# Altium PCB pcb地图1.00.pcbdoc (part 1 of 2)
Units mil, origin at the board's own origin, x right, y up, seen from the top; angles counter-clockwise.
Board outline 10933.01 x 3940 mil, 2 copper layers (Top Layer, Bottom Layer); 350 components, 336 nets, 1102 pads, 0 vias.
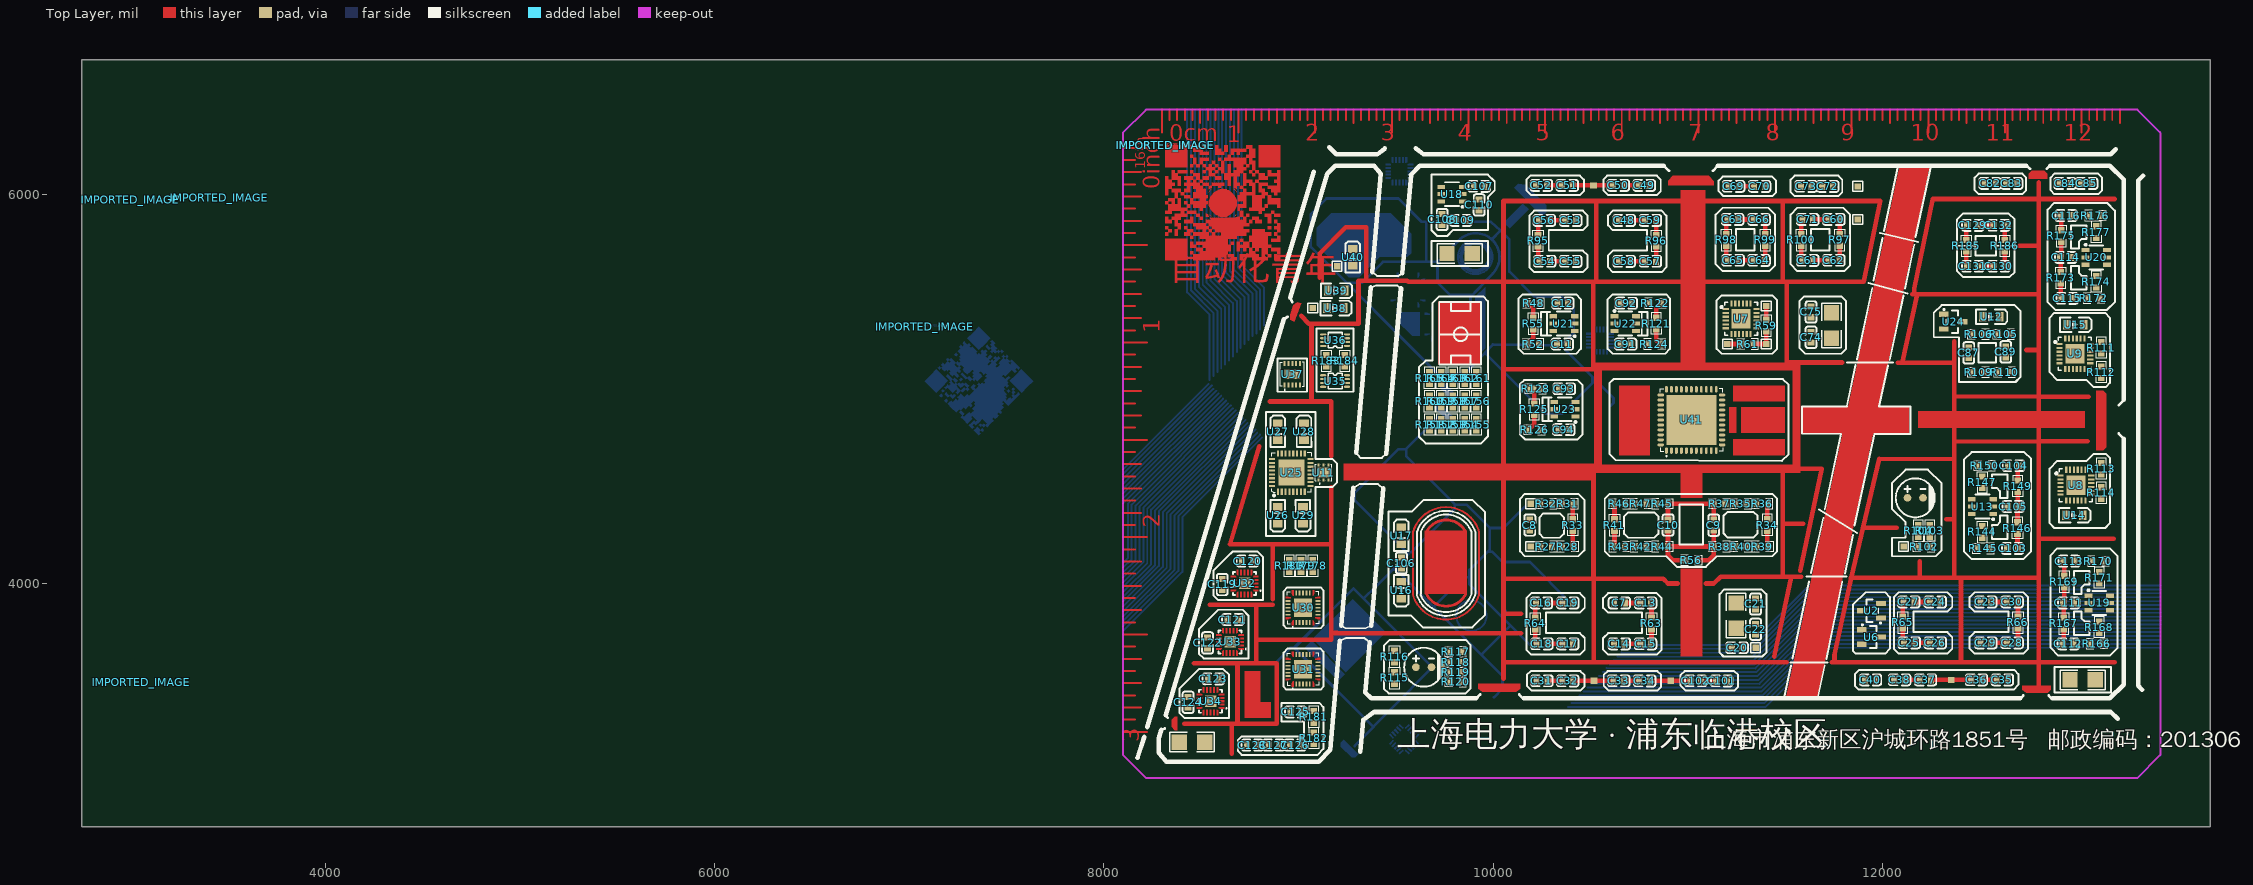
[diagram p0: Top Layer view]
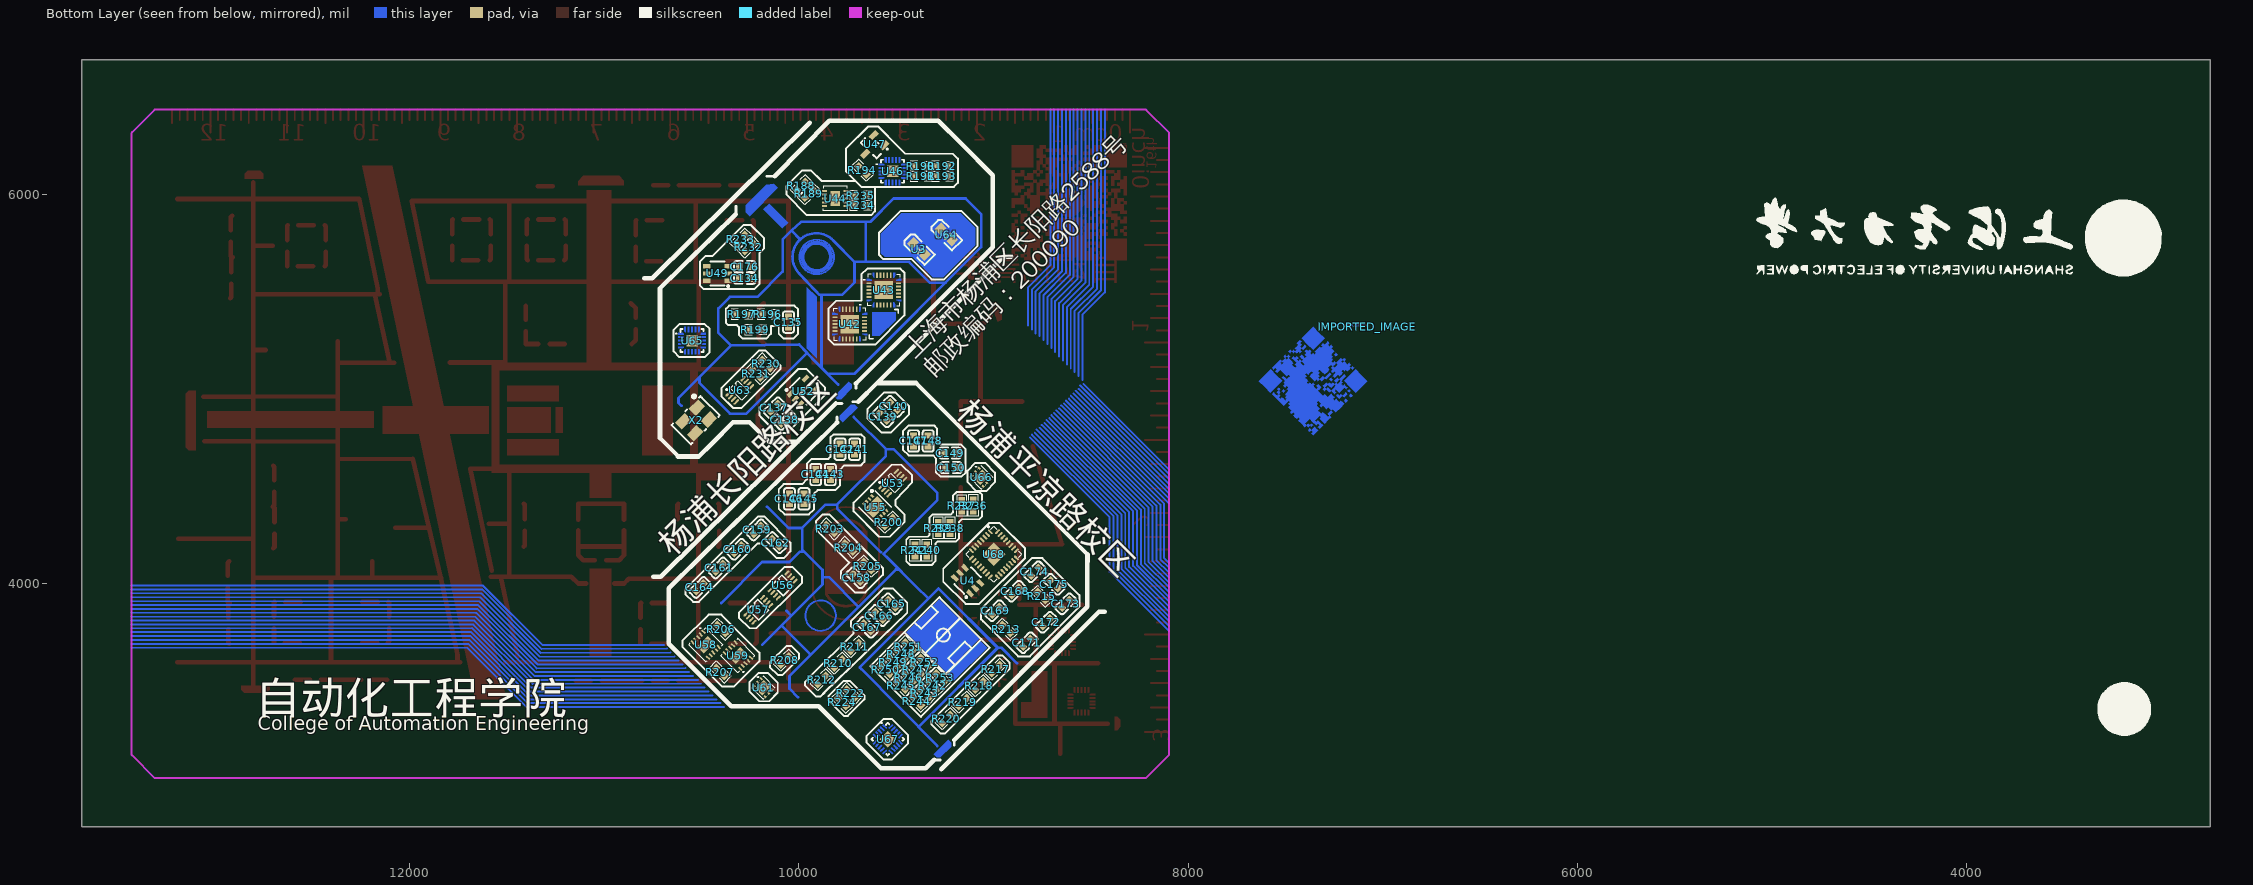
[diagram p1: Bottom Layer view, seen from below]

## Layer stack, top to bottom
Top Layer: signal copper (thickness not stored)
Dielectric: dielectric 12.6, FR-4, Dk 4.8
Bottom Layer: signal copper (thickness not stored)

## Board outline
13683.01,2750 2750,2750 2750,6690 13683.01,6690

## Components (designator, comment, footprint, x,y, rotation, side; value= is the part's Value field where it differs from the comment)
C7 "0.1u" C0603 10648.01,3900 r180 top
C8 "0.1u" C0603 10188.01,4300 r270 top
C9 "0.1u" C0603 11133.01,4300 r90 top
C10 "0.1u" C0603 10898.01,4300 r270 top
C11 "0.1u" C0603 10355.57,5230 r0 top
C12 "0.1u" C0603 10358.01,5440 r0 top
C13 "0.1u" C0603 10783.01,3900 r0 top
C14 "0.1u" C0603 10648.01,3690 r180 top
C15 "0.1u" C0603 10783.01,3690 r0 top
C16 "0.1u" C0603 10248.01,3900 r0 top
C17 "0.1u" C0603 10383.01,3690 r180 top
C18 "0.1u" C0603 10250.45,3690 r0 top
C19 "0.1u" C0603 10383.01,3900 r180 top
C20 "0.1u" C0603 11253.01,3670 r0 top
C21 "0.1u" C0603 11348.01,3895 r90 top
C22 "0.1u" C0603 11348.01,3765 r90 top
C23 "0.1u" C0603 12530.69,3905 r180 top
C24 "0.1u" C0603 12270.69,3905 r180 top
C25 "0.1u" C0603 12138.13,3695 r0 top
C26 "0.1u" C0603 12270.69,3695 r180 top
C27 "0.1u" C0603 12135.69,3905 r0 top
C28 "0.1u" C0603 12665.69,3695 r0 top
C29 "0.1u" C0603 12530.69,3695 r180 top
C30 "0.1u" C0603 12665.69,3905 r0 top
C31 "0.1u" C0603 10250.45,3500 r0 top
C32 "0.1u" C0603 10383.01,3500 r180 top
C33 "0.1u" C0603 10645.45,3500 r0 top
C34 "0.1u" C0603 10778.01,3500 r180 top
C35 "0.1u" C0603 12615.45,3505 r180 top
C36 "0.1u" C0603 12482.89,3505 r0 top
C37 "0.1u" C0603 12220.45,3505 r180 top
C38 "0.1u" C0603 12087.89,3505 r0 top
C40 "0.1u" C0603 11938.01,3505 r180 top
C48 "0.1u" C0603 10673.01,5865 r180 top
C49 "0.1u" C0603 10775.57,6045 r180 top
C50 "0.1u" C0603 10643.01,6045 r0 top
C51 "0.1u" C0603 10380.57,6045 r180 top
C52 "0.1u" C0603 10248.01,6045 r0 top
C53 "0.1u" C0603 10398.01,5865 r180 top
C54 "0.1u" C0603 10265.45,5655 r0 top
C55 "0.1u" C0603 10398.01,5655 r180 top
C56 "0.1u" C0603 10263.01,5865 r0 top
C57 "0.1u" C0603 10808.01,5655 r0 top
C58 "0.1u" C0603 10673.01,5655 r180 top
C59 "0.1u" C0603 10808.01,5865 r0 top
C60 "0.1u" C0603 11750.45,5870 r0 top
C61 "0.1u" C0603 11615.45,5660 r180 top
C62 "0.1u" C0603 11750.45,5660 r0 top
C63 "0.1u" C0603 11230.45,5870 r0 top
C64 "0.1u" C0603 11365.45,5660 r180 top
C65 "0.1u" C0603 11232.89,5660 r0 top
C66 "0.1u" C0603 11365.45,5870 r180 top
C69 "0.1u" C0603 11235.45,6040 r0 top
C70 "0.1u" C0603 11368.01,6040 r180 top
C71 "0.1u" C0603 11615.45,5870 r180 top
C72 "0.1u" C0603 11718.13,6040 r180 top
C73 "0.1u" C0603 11608.01,6040 r0 top
C74 "0.1u" C0603 11633.01,5265 r90 top
C75 "0.1u" C0603 11633.01,5395 r90 top
C82 "0.1u" C0603 12552.89,6055 r0 top
C83 "0.1u" C0603 12663.01,6055 r180 top
C84 "0.1u" C0603 12937.89,6055 r0 top
C85 "0.1u" C0603 13048.01,6055 r180 top
C87 "0.1u" C0603 12443.01,5185 r90 top
C89 "0.1u" C0603 12633.01,5190 r90 top
C91 "0.1u" C0603 10680.57,5230 r180 top
C92 "0.1u" C0603 10683.01,5440 r180 top
C93 "0.1u" C0603 10365.45,5000 r0 top
C94 "0.1u" C0603 10363.01,4790 r0 top
C101 "0.1u" C0603 11173.01,3500 r180 top
C102 "0.1u" C0603 11040.45,3500 r0 top
C103 "0.1u" C0603 12668.01,4180 r0 top
C104 "0.1u" C0603 12672.89,4605 r0 top
C105 "0.1u" C0603 12670.45,4395 r0 top
C106 "0.1u" C0603 9528.01,4105 r270 top
C107 "0.1u" C0603 9928.01,6040 r0 top
C108 "0.1u" C0603 9738.01,5870 r90 top
C109 "0.1u" C0603 9833.01,5865 r0 top
C110 "0.1u" C0603 9928.01,5945 r90 top
C111 "0.1u" C0603 12955.57,3900 r180 top
C112 "0.1u" C0603 12953.13,3690 r180 top
C113 "0.1u" C0603 12958.01,4115 r180 top
C114 "0.1u" C0603 12940.57,5675 r180 top
C115 "0.1u" C0603 12948.01,5465 r180 top
C116 "0.1u" C0603 12943.01,5890 r180 top
C119 "0.1u" C0603 8608.01,3995 r90 top
C120 "0.1u" C0603 8738.01,4115 r0 top
C121 "0.1u" C0603 8663.01,3815 r0 top
C122 "0.1u" C0603 8533.01,3695 r90 top
C123 "0.1u" C0603 8563.01,3510 r0 top
C124 "0.1u" C0603 8433.01,3390 r90 top
C125 "0.1u" C0603 8985.45,3340 r0 top
C126 "0.1u" C0603 8983.01,3170 r0 top
C127 "0.1u" C0603 8873.01,3170 r0 top
C128 "0.1u" C0603 8763.01,3170 r0 top
C129 "0.1u" C0603 12463.01,5839.66 r180 top
C130 "0.1u" C0603 12598.01,5629.66 r0 top
C131 "0.1u" C0603 12463.01,5629.66 r180 top
C132 "0.1u" C0603 12598.01,5839.66 r0 top
C134 "0.1u" C0603 10278.01,5567.5 r180 bottom
C135 "0.1u" C0603 10053.01,5342.5 r270 bottom
C137 "0.1u" C0603 10126.55,4902.24 r315 bottom
C138 "0.1u" C0603 10071.55,4842.24 r315 bottom
C139 "0.1u" C0603 9566.17,4856.56 r45 bottom
C140 "0.1u" C0603 9513.01,4910 r45 bottom
C141 "0.1u" C0603 9713.01,4690 r90 bottom
C142 "0.1u" C0603 9788.01,4690 r90 bottom
C143 "0.1u" C0603 9838.01,4560 r90 bottom
C144 "0.1u" C0603 9913.01,4560 r90 bottom
C145 "0.1u" C0603 9973.01,4435 r90 bottom
C146 "0.1u" C0603 10048.01,4435 r90 bottom
C147 "0.1u" C0603 9410.57,4732.56 r90 bottom
C148 "0.1u" C0603 9335.57,4732.56 r90 bottom
C149 "0.1u" C0603 9223.01,4670 r180 bottom
C150 "0.1u" C0603 9218.01,4595 r180 bottom
C158 "0.1u" C0603 9702.55,4029.54 r45 bottom
C159 "0.1u" C0603 10213.01,4275 r315 bottom
C160 "0.1u" C0603 10312.49,4175.51 r135 bottom
C161 "0.1u" C0603 10408.01,4080 r135 bottom
C162 "0.1u" C0603 10118.01,4210 r45 bottom
C164 "0.1u" C0603 10508.01,3980 r135 bottom
C165 "0.1u" C0603 9523.01,3895 r225 bottom
C166 "0.1u" C0603 9588.01,3835 r225 bottom
C167 "0.1u" C0603 9648.01,3775 r225 bottom
C168 "0.1u" C0603 8888.52,3960.51 r135 bottom
C169 "0.1u" C0603 8988.52,3860.51 r135 bottom
C171 "0.1u" C0603 8828.52,3695.51 r315 bottom
C172 "0.1u" C0603 8728.52,3800.51 r135 bottom
C173 "0.1u" C0603 8628.52,3895.51 r135 bottom
C174 "0.1u" C0603 8788.52,4060.51 r135 bottom
C175 "0.1u" C0603 8688.52,3995.51 r225 bottom
C176 "0.1u" C0603 10278.01,5627.5 r180 bottom
IMPORTED_IMAGE "IMPORTED_IMAGE" IMPORTED_IMAGE#1 7079.81,5317.99 r0 top
IMPORTED_IMAGE "IMPORTED_IMAGE" IMPORTED_IMAGE#2 7079.81,5317.99 r0 bottom
IMPORTED_IMAGE "IMPORTED_IMAGE" IMPORTED_IMAGE#1 3455.64,5981.61 r0 top
IMPORTED_IMAGE "IMPORTED_IMAGE" IMPORTED_IMAGE#1 3000,5971.18 r0 top
IMPORTED_IMAGE "IMPORTED_IMAGE" IMPORTED_IMAGE#1 3054.18,3492.42 r0 top
IMPORTED_IMAGE "IMPORTED_IMAGE" IMPORTED_IMAGE#3 8315.97,6250.26 r0 top
IMPORTED_IMAGE "IMPORTED_IMAGE" IMPORTED_IMAGE#1 8315.97,6250.26 r0 top
R27 "1k" R0603 10273.01,4190 r0 top
R28 "1k" R0603 10383.01,4190 r180 top
R31 "1k" R0603 10382.67,4410 r0 top
R32 "1k" R0603 10272.67,4410 r0 top
R33 "1k" R0603 10408.01,4300 r90 top
R34 "1k" R0603 11408.01,4300 r90 top
R35 "1k" R0603 11272.67,4410 r0 top
R36 "1k" R0603 11382.67,4410 r0 top
R37 "1k" R0603 11162.67,4410 r0 top
R38 "1k" R0603 11163.01,4190 r0 top
R39 "1k" R0603 11383.01,4190 r180 top
R40 "1k" R0603 11273.01,4190 r0 top
R41 "1k" R0603 10623.01,4300 r270 top
R42 "1k" R0603 10758.35,4190 r180 top
R43 "1k" R0603 10648.35,4190 r180 top
R44 "1k" R0603 10868.35,4190 r180 top
R45 "1k" R0603 10868.01,4410 r180 top
R46 "1k" R0603 10648.01,4410 r0 top
R47 "1k" R0603 10758.01,4410 r180 top
R48 "1k" R0603 10208.01,5440 r0 top
R52 "1k" R0603 10205.57,5230 r0 top
R55 "1k" R0603 10205.57,5335 r270 top
R56 "1k" R0603 11018.01,4120 r180 top
R59 "1k" R0603 11403.01,5325 r270 top
R61 "1k" R0603 11308.01,5230 r0 top
R63 "1k" R0603 10813.01,3795 r270 top
R64 "1k" R0603 10215.45,3795 r270 top
R65 "1k" R0603 12103.13,3800 r270 top
R66 "1k" R0603 12695.69,3800 r270 top
R95 "1k" R0603 10230.45,5760 r270 top
R96 "1k" R0603 10838.01,5760 r270 top
R97 "1k" R0603 11780.45,5765 r270 top
R98 "1k" R0603 11197.89,5765 r270 top
R99 "1k" R0603 11398.01,5765 r270 top
R100 "1k" R0603 11583.01,5765 r270 top
R102 "1k" R0603 12213.01,4190 r0 top
R103 "1k" R0603 12243.01,4270 r90 top
R104 "1k" R0603 12183.01,4270 r90 top
R105 "1k" R0603 12623.01,5280 r0 top
R106 "1k" R0603 12493.01,5280 r0 top
R109 "1k" R0603 12493.01,5085 r0 top
R110 "1k" R0603 12628.01,5085 r0 top
R111 "1k" R0603 13123.01,5210.34 r90 top
R112 "1k" R0603 13123.01,5085 r90 top
R113 "1k" R0603 13123.01,4590 r90 top
R114 "1k" R0603 13123.01,4465 r90 top
R115 "1k" R0603 9493.01,3514.66 r270 top
R116 "1k" R0603 9493.01,3624.66 r270 top
R117 "1k" R0603 9808.01,3650 r0 top
R118 "1k" R0603 9808.01,3595 r0 top
R119 "1k" R0603 9808.01,3545 r0 top
R120 "1k" R0603 9808.01,3495 r0 top
R121 "1k" R0603 10838.01,5335.34 r90 top
R122 "1k" R0603 10833.01,5440 r180 top
R124 "1k" R0603 10828.01,5230 r180 top
R125 "1k" R0603 10210.57,4895 r270 top
R126 "1k" R0603 10213.01,4790 r0 top
R128 "1k" R0603 10218.01,5000 r0 top
R144 "1k" R0603 12513.01,4265 r270 top
R145 "1k" R0603 12518.01,4180 r0 top
R146 "1k" R0603 12693.01,4285 r90 top
R147 "1k" R0603 12513.01,4520 r270 top
R149 "1k" R0603 12695.45,4500 r90 top
R150 "1k" R0603 12525.45,4605 r0 top
R151 "1k" R0603 9673.01,4815 r90 top
R152 "1k" R0603 9733.01,4815 r90 top
R153 "1k" R0603 9793.01,4815 r90 top
R154 "1k" R0603 9853.01,4815 r90 top
R155 "1k" R0603 9913.01,4815 r90 top
R156 "1k" R0603 9913.01,4935 r90 top
R157 "1k" R0603 9853.01,4935 r90 top
R158 "1k" R0603 9793.01,4935 r90 top
R159 "1k" R0603 9733.01,4935 r90 top
R160 "1k" R0603 9673.01,4935 r90 top
R161 "1k" R0603 9913.01,5055 r90 top
R162 "1k" R0603 9853.01,5055 r90 top
R163 "1k" R0603 9793.01,5055 r90 top
R164 "1k" R0603 9733.01,5055 r90 top
R165 "1k" R0603 9673.01,5055 r90 top
R166 "1k" R0603 13100.57,3690 r180 top
R167 "1k" R0603 12930.57,3795 r270 top
R168 "1k" R0603 13113.01,3775 r90 top
R169 "1k" R0603 12933.01,4010 r270 top
R170 "1k" R0603 13108.01,4115 r180 top
R171 "1k" R0603 13113.01,4030 r90 top
R172 "1k" R0603 13085.57,5465 r180 top
R173 "1k" R0603 12915.57,5570 r270 top
R174 "1k" R0603 13098.01,5550 r90 top
R175 "1k" R0603 12918.01,5785 r270 top
R176 "1k" R0603 13093.01,5890 r180 top
R177 "1k" R0603 13098.01,5805 r90 top
R178 "1k" R0603 9073.01,4090 r90 top
R179 "1k" R0603 9013.01,4090 r90 top
R180 "1k" R0603 8953.01,4090 r90 top
R181 "1k" R0603 9078.01,3314.66 r90 top
R182 "1k" R0603 9078.01,3204.66 r90 top
R183 "1k" R0603 9143.01,5144.66 r270 top
R184 "1k" R0603 9238.01,5144.66 r270 top
R185 "1k" R0603 12430.57,5734.66 r270 top
R186 "1k" R0603 12628.01,5734.66 r270 top
R188 "1k" R0603 9988.01,6042.5 r135 bottom
R189 "1k" R0603 9948.01,6002.5 r135 bottom
R190 "1k" R0603 9373.01,6142.84 r0 bottom
R191 "1k" R0603 9373.01,6092.5 r0 bottom
R192 "1k" R0603 9263.01,6142.5 r0 bottom
R193 "1k" R0603 9263.01,6092.84 r0 bottom
R194 "1k" R0603 9673.01,6122.5 r45 bottom
R196 "1k" R0603 10158.35,5382.5 r0 bottom
R197 "1k" R0603 10293.35,5382.5 r0 bottom
R199 "1k" R0603 10223.01,5302.5 r0 bottom
R200 "1k" R0603 9538.01,4315 r135 bottom
R203 "1k" R0603 9838.01,4280 r45 bottom
R204 "1k" R0603 9742.55,4184.54 r45 bottom
R205 "1k" R0603 9647.09,4089.08 r45 bottom
R206 "1k" R0603 10398.01,3765 r225 bottom
R207 "1k" R0603 10403.01,3545 r225 bottom
R208 "1k" R0603 10073.01,3605 r135 bottom
R210 "1k" R0603 9798.01,3590 r135 bottom
R211 "1k" R0603 9713.01,3675 r135 bottom
R212 "1k" R0603 9883.01,3505 r135 bottom
R213 "1k" R0603 8933.52,3765.51 r225 bottom
R215 "1k" R0603 8753.01,3935 r225 bottom
R217 "1k" R0603 8988.01,3560 r135 bottom
R218 "1k" R0603 9073.01,3475 r135 bottom
R219 "1k" R0603 9158.01,3390 r135 bottom
R220 "1k" R0603 9243.01,3305 r135 bottom
R222 "1k" R0603 9733.01,3435 r225 bottom
R224 "1k" R0603 9778.01,3390 r225 bottom
R230 "1k" R0603 10168.01,5127.5 r45 bottom
R231 "1k" R0603 10218.01,5077.5 r45 bottom
R232 "1k" R0603 10257.03,5728.47 r135 bottom
R233 "1k" R0603 10297.03,5768.47 r135 bottom
R234 "1k" R0603 9683.01,5942.84 r0 bottom
R235 "1k" R0603 9683.01,5992.5 r0 bottom
R236 "1k" R0603 9103.01,4400.34 r90 bottom
R237 "1k" R0603 9163.01,4400 r90 bottom
R238 "1k" R0603 9223.01,4284.66 r90 bottom
R239 "1k" R0603 9283.01,4284.66 r90 bottom
R240 "1k" R0603 9343.01,4169.66 r90 bottom
R241 "1k" R0603 9403.01,4169.66 r90 bottom
R242 "1k" R0603 9313.01,3475 r225 bottom
R243 "1k" R0603 9353.01,3435 r225 bottom
R244 "1k" R0603 9393.01,3395 r225 bottom
R245 "1k" R0603 9473.98,3475.97 r225 bottom
R246 "1k" R0603 9433.98,3515.97 r225 bottom
R247 "1k" R0603 9393.98,3555.97 r225 bottom
R248 "1k" R0603 9473.98,3635.97 r225 bottom
R249 "1k" R0603 9513.98,3595.97 r225 bottom
R250 "1k" R0603 9553.98,3555.97 r225 bottom
R251 "1k" R0603 9433.98,3675.97 r225 bottom
R252 "1k" R0603 9353.98,3595.97 r225 bottom
R253 "1k" R0603 9273.98,3515.97 r225 bottom
U2 "BC817-25-QR" SOT-23-3_L2.9-W1.5-P1.90-LS2.6-BR 11943.01,3860 r0 top
U3 "LS R976-NR-1-0-20-R18" LED0805-RD_RED 9383.01,5717.5 r225 bottom
U4 "ADC081S021CIMFX/NOPB" SOT-23-6_L2.9-W1.6-P0.95-LS2.8-BR 9133.01,4015 r225 bottom
U6 "BC817-25-QR" SOT-23-3_L2.9-W1.5-P1.90-LS2.6-BR 11943.01,3725 r180 top
U7 "SI5334M-B03018-GM" QFN-24_L4.0-W4.0-P0.50-TL-EP2.5 11273.01,5360 r0 top
U8 "SI5334M-B03018-GM" QFN-24_L4.0-W4.0-P0.50-TL-EP2.5 12993.02,4505.49 r0 top
U9 "SI5334M-B03018-GM" QFN-24_L4.0-W4.0-P0.50-TL-EP2.5 12988.02,5180.49 r0 top
U11 "AM01B" DFN-6_L2.0-W2.0-P0.65-BL-EP 9128.01,4570 r0 top
U12 "LS R976-NR-1-0-20-R18" LED0805-RD_RED 12558.01,5370 r180 top
U13 "ADC081S021CIMFX/NOPB" SOT-23-6_L2.9-W1.6-P0.95-LS2.8-BR 12513.01,4395 r0 top
U14 "LS R976-NR-1-0-20-R18" LED0805-RD_RED 12984.69,4350 r180 top
U15 "LS R976-NR-1-0-20-R18" LED0805-RD_RED 12989.69,5330 r180 top
U16 "LS R976-NR-1-0-20-R18" LED0805-RD_RED 9528.01,3965 r90 top
U17 "LS R976-NR-1-0-20-R18" LED0805-RD_RED 9528.01,4245 r270 top
U18 "ADC081S021CIMFX/NOPB" SOT-23-6_L2.9-W1.6-P0.95-LS2.8-BR 9788.01,6000 r0 top
U19 "ADC081S021CIMFX/NOPB" SOT-23-6_L2.9-W1.6-P0.95-LS2.8-BR 13113.01,3900 r180 top
U20 "ADC081S021CIMFX/NOPB" SOT-23-6_L2.9-W1.6-P0.95-LS2.8-BR 13098.01,5675 r180 top
U21 "ADC081S021CIMFX/NOPB" SOT-23-6_L2.9-W1.6-P0.95-LS2.8-BR 10363.01,5335 r0 top
U22 "ADC081S021CIMFX/NOPB" SOT-23-6_L2.9-W1.6-P0.95-LS2.8-BR 10678.01,5335 r180 top
U23 "ADC081S021CIMFX/NOPB" SOT-23-6_L2.9-W1.6-P0.95-LS2.8-BR 10368.01,4895 r0 top
U24 "BC817-25-QR" SOT-23-3_L2.9-W1.5-P1.90-LS2.6-BR 12363.01,5345 r180 top
U25 "AT42QT1110-MUR" QFN-32_L5.0-W5.0-P0.50-BL-EP3.4 8963.01,4570 r0 top
U26 "LS R976-NR-1-0-20-R18" LED0805-RD_RED 8893.01,4350 r90 top
U27 "LS R976-NR-1-0-20-R18" LED0805-RD_RED 8893.01,4780 r270 top
U28 "LS R976-NR-1-0-20-R18" LED0805-RD_RED 9028.01,4780 r270 top
U29 "LS R976-NR-1-0-20-R18" LED0805-RD_RED 9023.01,4350 r90 top
U30 "AT42QT1060-MMUR" QFN-28_L4.0-W4.0-P0.45-BL-EP 9023.01,3875 r0 top
U31 "AT42QT1060-MMUR" QFN-28_L4.0-W4.0-P0.45-BL-EP 9023.01,3560 r0 top
U32 "AT42QT1040-MMHR" VQFN-20_L3.0-W3.0-P0.45-TL-EP 8723.01,4000 r180 top
U33 "AT42QT1040-MMHR" VQFN-20_L3.0-W3.0-P0.45-TL-EP 8648.01,3700 r180 top
U34 "AT42QT1040-MMHR" VQFN-20_L3.0-W3.0-P0.45-TL-EP 8548,3395 r180 top
U35 "74HC2G00DC,125" VSSOP-8_L2.1-W2.4-P0.50-LS3.2-BL 9188.01,5040 r270 top
U36 "74HC2G00DC,125" VSSOP-8_L2.1-W2.4-P0.50-LS3.2-BL 9188.01,5250 r90 top
U37 "FDC1004DSCT" DFN-10_L3.0-W3.0-P0.50-BL-EP 8968.01,5075 r0 top
U38 "LS R976-NR-1-0-20-R18" LED0805-RD_RED 9189.69,5415 r180 top
U39 "LS R976-NR-1-0-20-R18" LED0805-RD_RED 9193.01,5505 r180 top
U40 "LS R976-NR-1-0-20-R18" LED0805-RD_RED 9278.01,5675 r270 top
U41 "MTCH6301-I/ML" QFN-44_L8.0-W8.0-P0.65-BL-EP 11018.01,4840 r0 top
U42 "AT42QT1060-MMUR" QFN-28_L4.0-W4.0-P0.45-BL-EP 9738.01,5332.5 r0 bottom
U43 "AT42QT1060-MMUR" QFN-28_L4.0-W4.0-P0.45-BL-EP 9563.01,5507.5 r270 bottom
U44 "FDC1004DSCT" DFN-10_L3.0-W3.0-P0.50-BL-EP 9813.01,5977.5 r90 bottom
U46 "AT42QT1040-MMHR" VQFN-20_L3.0-W3.0-P0.45-TL-EP 9518.01,6117.5 r180 bottom
U47 "BC817-25-QR" SOT-23-3_L2.9-W1.5-P1.90-LS2.6-BR 9623.01,6242.5 r135 bottom
U49 "ADC081S021CIMFX/NOPB" SOT-23-6_L2.9-W1.6-P0.95-LS2.8-BR 10418.01,5592.5 r180 bottom
U52 "ADC081S021CIMFX/NOPB" SOT-23-6_L2.9-W1.6-P0.95-LS2.8-BR 9978.01,4987.5 r315 bottom
U53 "SN74LVC1G123DCUR_C352969" VSSOP-8_L2.3-W2.0-P0.50-LS3.1-BL 9517.03,4515.97 r225 bottom
U55 "LP1110QVF" DFN-8_L3.0-W3.0-P0.50-LS3.0-BL-EP 9607.03,4390.97 r315 bottom
U56 "74HC2G00DC,125" VSSOP-8_L2.1-W2.4-P0.50-LS3.2-BL 10083.01,3990 r225 bottom
U57 "74HC2G00DC,125" VSSOP-8_L2.1-W2.4-P0.50-LS3.2-BL 10208.01,3865 r225 bottom
U58 "FDC1004DSCT" DFN-10_L3.0-W3.0-P0.50-BL-EP 10478.01,3685 r315 bottom
U59 "FDC1004DSCT" DFN-10_L3.0-W3.0-P0.50-BL-EP 10313.01,3630 r135 bottom
U61 "AM01B" DFN-6_L2.0-W2.0-P0.65-BL-EP 10183.01,3465 r315 bottom
U63 "SN74LVC1G123DCUR_C352969" VSSOP-8_L2.3-W2.0-P0.50-LS3.1-BL 10303.01,4992.5 r225 bottom
U64 "LS R976-NR-1-0-20-R18" LED0805-RD_RED 9242.38,5791.88 r225 bottom
U65 "AT42QT1040-MMHR" VQFN-20_L3.0-W3.0-P0.45-TL-EP 10548.01,5247.5 r180 bottom
U66 "AM01B" DFN-6_L2.0-W2.0-P0.65-BL-EP 9063.01,4545 r315 bottom
U67 "AT42QT1040-MMHR" VQFN-20_L3.0-W3.0-P0.45-TL-EP 9543.01,3200 r225 bottom
U68 "SI53326-B-GM" QFN-32_L5.0-W5.0-P0.50-TL-EP2.2 8998.01,4150 r225 bottom
X2 "50MHz" OSC-SMD_4P-L5.0-W3.2-BL-1 10528.01,4837.5 r315 bottom

## Footprints (in the part's own frame and the unit in brackets; to place one, negate y for a bottom-side part, rotate by r counter-clockwise, add the part's x,y. Pads: shape width x height; smd on the part's side, far side on the other; paste and mask are expansions set on the pad)
C0603 [mm]
  rect 0.8x0.9 smd paste+0 mask+0.051: 1(-0.7,0) 2(0.7,0)
  silkscreen extent -1.41,-0.71 1.39,0.72
DFN-6_L2.0-W2.0-P0.65-BL-EP [mm]
  rect 0.28x0.4 smd paste+0 mask+0.05: 1(-0.65,-1) 2(0,-1) 3(0.65,-1) 4(0.65,1) 5(0,1) 6(-0.65,1)
  rect 1.6x1.3 smd paste+0 mask+0.05: 7(0,0)
  silkscreen extent -1.08,-1.52 1.08,1.08
DFN-8_L3.0-W3.0-P0.50-LS3.0-BL-EP [mm]
  rect 0.3x0.5 smd paste+0 mask+0.051: 1(-0.75,-1.325) 2(-0.25,-1.325) 3(0.25,-1.325) 4(0.75,-1.325) 5(0.75,1.325) 6(0.25,1.325) 7(-0.25,1.325) 8(-0.75,1.325)
  rect 2.4x1.7 smd paste+0 mask+0.051: 9(0,-0.025)
  silkscreen extent -1.5,-1.95 1.5,1.48
DFN-10_L3.0-W3.0-P0.50-BL-EP [mm]
  rect 0.25x0.65 smd paste+0 mask+0.051: 1(-1,-1.411) 2(-0.5,-1.411) 3(0,-1.411) 4(0.5,-1.411) 5(1,-1.411) 6(1,1.411) 7(0.5,1.411) 8(0,1.411) 9(-0.5,1.411) 10(-1,1.411)
  rect 2x1.2 smd paste+0 mask+0.051: 11(0,0)
  silkscreen extent -1.58,-2.1 1.58,1.58
IMPORTED_IMAGE#1 [mil]
IMPORTED_IMAGE#2 [mil]
  Top Layer region: 283.06,552.1 278.39,556.78 265.4,543.79 252.42,530.81 261.25,521.98 270.08,513.15 278.39,521.46 286.7,529.77 290.85,525.61 295.01,521.46 299.68,526.13 304.36,530.81 300.2,534.96 296.05,539.12 291.89,534.96 287.74,530.81 283.58,534.96 279.43,539.12 283.58,543.27 287.74,547.43
  Top Layer region: 533 vertices and 32 holes, not listed, extent 67.52,74.79 489.29,522.5
  Top Layer region: 278.39,454.98 273.71,450.3 269.04,445.63 273.71,440.95 278.39,436.28 283.06,440.95 287.74,445.63 283.06,450.3
  Top Layer region: 341.23,441.99 336.56,446.67 332.4,442.51 328.25,438.36 332.92,433.68 337.6,429.01 341.75,433.16 345.91,437.32
  Top Layer region: 358.37,424.85 354.22,429.01 350.06,424.85 345.91,420.7 350.06,416.54 354.22,412.39 358.37,416.54 362.53,420.7
  Top Layer region: 114.78,383.82 110.11,388.5 105.43,383.82 100.76,379.15 105.43,374.47 110.11,369.8 114.78,374.47 119.46,379.15
  Top Layer region: 151.66,361.49 143.35,369.8 135.56,362.01 127.77,354.22 123.61,358.37 119.46,362.53 110.63,353.7 101.8,344.87 105.95,340.71 110.11,336.56 118.42,344.87 126.73,353.18 130.88,349.02 135.04,344.87 139.19,349.02 143.35,353.18 147.5,349.02 151.66,344.87 155.81,349.02 159.97,353.18
  Top Layer region: 84.14,362.53 79.47,357.85 74.79,353.18 79.47,348.51 84.14,343.83 88.81,348.51 93.49,353.18 88.81,357.85
  Top Layer region: 454.98,344.87 450.82,340.71 446.67,336.56 450.82,332.4 454.98,328.25 450.82,324.09 446.67,319.94 450.82,315.78 454.98,311.63 459.13,315.78 463.29,319.94 459.65,323.57 456.02,327.21 460.17,331.37 464.33,335.52 459.65,340.19